# Altium PCB PR2387.PcbDoc (part 2 of 2)
Units mil, origin at the board's own origin, x right, y up, seen from the top; angles counter-clockwise.
Board outline 2750 x 2500 mil, 2 copper layers (Top Layer, Bottom Layer), stack 61.6 mil thick; 130 components, 60 nets, 319 pads, 83 vias.
Unrouted connection lines stored in the file: 7.
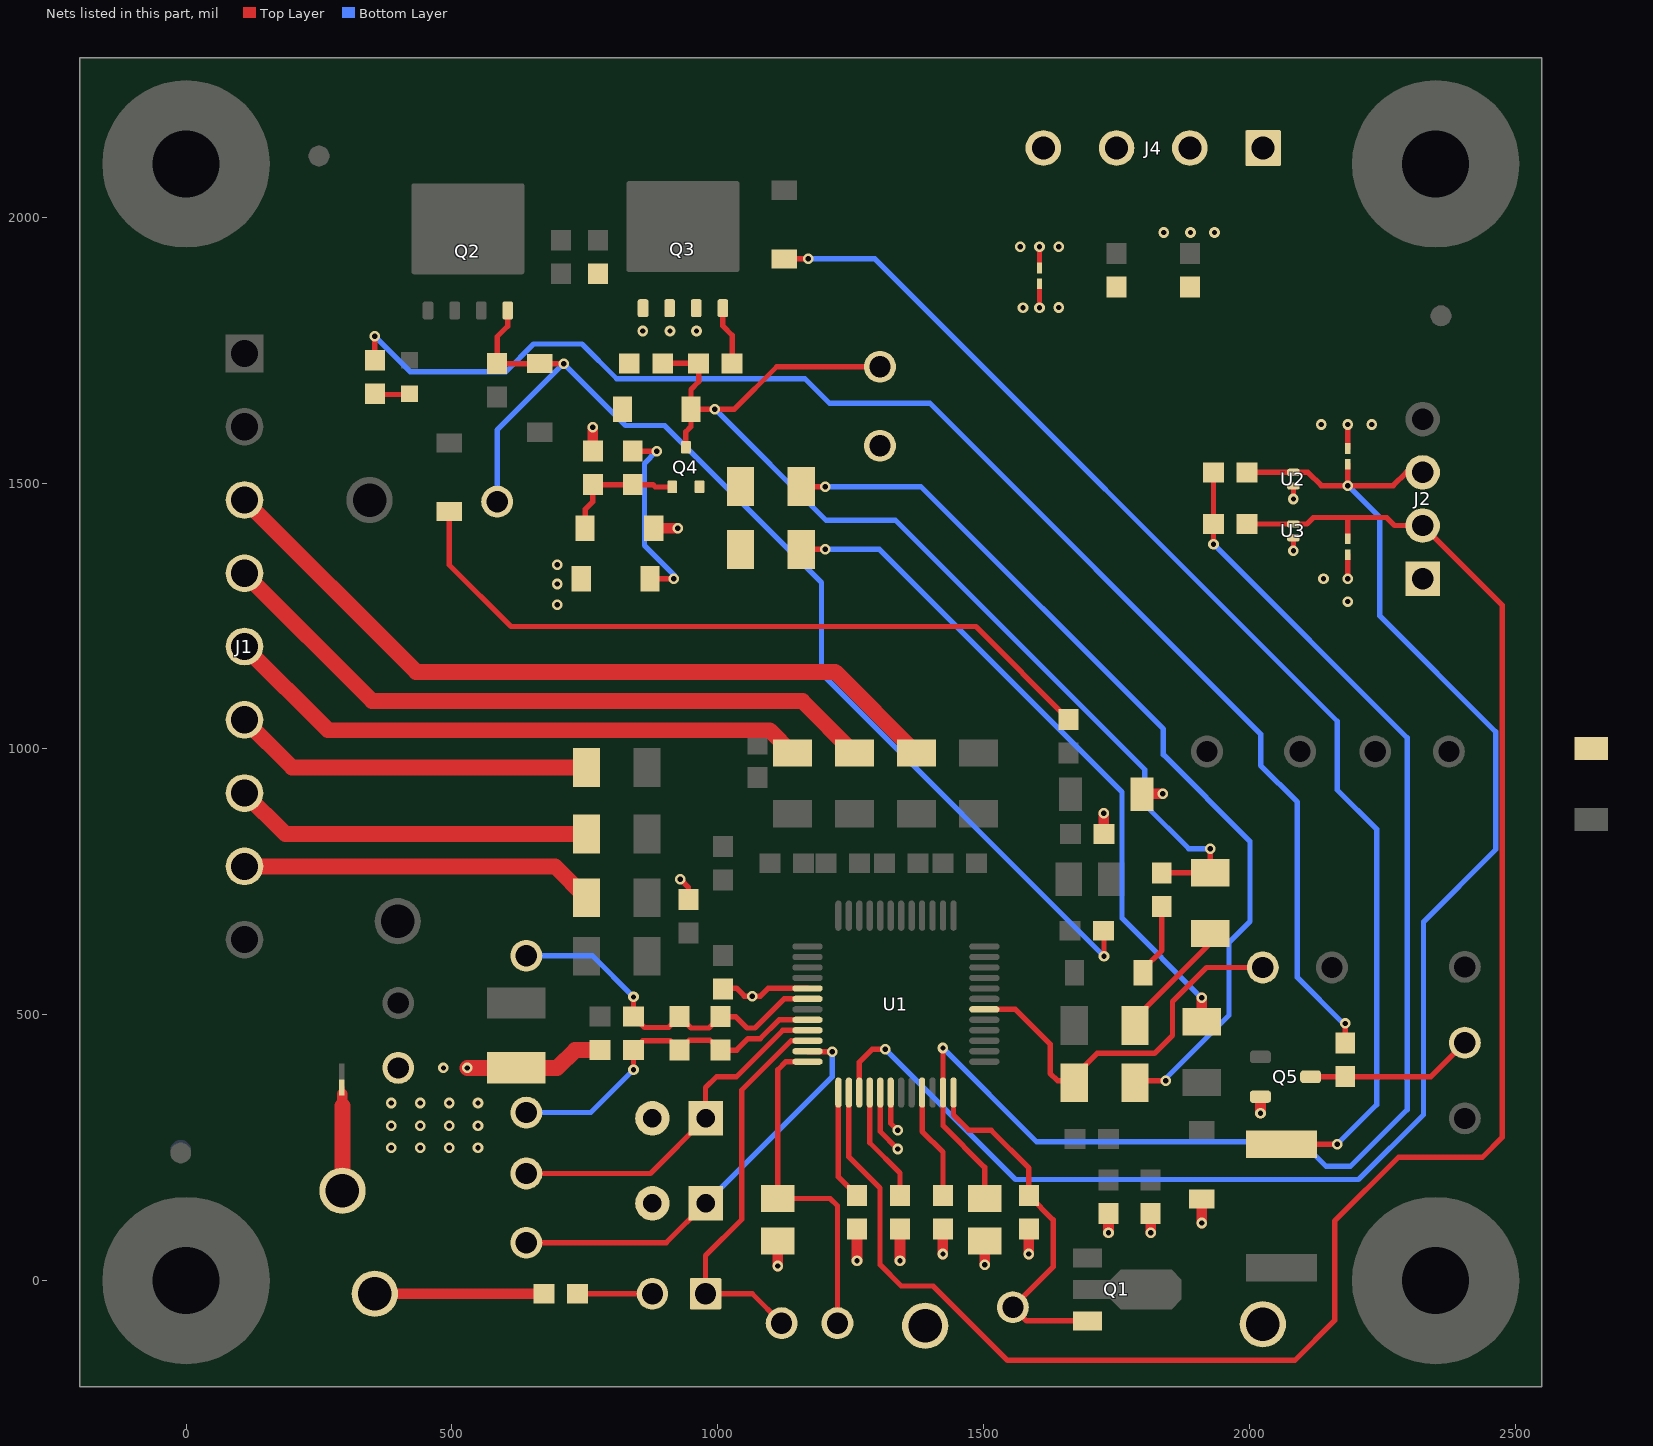
[diagram p2: the nets of this part, all layers, seen from the top]

## Via types
v1: diameter 20, hole 10, Top Layer to Bottom Layer, tented top, 83 vias

## Nets (pads, with @x,y where several pads share a name; then routed paths per layer and width w, separated by ;. In a path a pad name is that pad's centre, name@x,y a point inside that pad or via, vN(x,y) a via of type N, cw(c..) or ccw(c..) an arc to the next point about the centre after c; other vN are vias at no path point) (continued)
NetD1_1: D1.1 R1.2 | length 1385.7
  Top Layer w10: D1.1@495,1446.53 495,1346 611,1230 1485.51,1230 R1.2@1659.88,1055.63
NetD2_1: D2.1 R4.2 | length 2361.9
  Top Layer w10: D2.1@1125,1921.56 v1(1170,1921.56) ; R4.2@2060,256.5 v1(2164.85,256.5)
  Bottom Layer w10: v1(1170,1921.56) 1295.44,1921.56 2165,1052 2165,923.02 2239,849.02 2239,330.65 v1(2164.85,256.5)
NetD3_1: D3.1 R20.2 | length 65
  Top Layer w10: R20.2@350,1666.44 D3.1@415,1666.44
NetD4_1: D4.1 Q2.4 R22.2 R28.2 TP20.1 | length 2163.2
  Top Layer w10: Q2.4@605,1824.45 605,1795 585,1775 R22.2@585,1724.47 D4.1@665,1724.47 v1(710,1724.47) ; v1(1726.38,610) 1726.38,649.68 R28.2@1726.69,650
  Bottom Layer w10: TP20.1@585,1465 585,1599.47 v1(710,1724.47) 826.47,1608 900,1608 1195,1313 1195,1141.38 v1(1726.38,610)
NetD5_1: D5.1 Q4.3 R23.2 R25.2 R30.2 R31.2 TP21.1 | length 2072.6
  Top Layer w10: R23.2@896.5,1725 R25.2@964.04,1725 964.04,1690.51 949.47,1675.94 D5.1@949.47,1638.98 ; Q4.3@940,1567.4 940,1596.48 949.47,1605.94 D5.1@949.47,1638.98 ; TP21.1@1305,1718.7 1110.83,1718.7 1031.1,1638.98 v1(994.47,1638.98) D5.1@949.47,1638.98 ; R31.2@1835,766.5 1835.59,767.09 R30.2@1926.02,767.09 v1(1926.02,812.09)
  Bottom Layer w10: v1(994.47,1638.98) 1203.44,1430 1334,1430 1803,961 1803,895 1885.91,812.09 v1(1926.02,812.09)
NetD6_1: D6.1 Q4.1 R24.2 R26.1 | length 239
  Top Layer w10: D6.1@750.53,1415 750.53,1450.53 765,1465 R24.2@765,1496.87 R26.1@840,1496.87 878.13,1496.87 882.4,1492.6 Q4.1@914.41,1492.6
NetD7_1: D7.1 R26.2 | length 358.2
  Top Layer w10: R26.2@840,1559.86 v1(885,1559.86) ; D7.1@872.2,1320 v1(917.2,1320)
  Bottom Layer w10: v1(885,1559.86) 862,1536.86 862,1382.47 v1@919.47,1325
NetD9_2: D9.2 R31.1 | length 143.7
  Top Layer w10: D9.2@1799.47,574.57 D9.2@1799.47,578.57 1799.47,585.47 1835,621 R31.1@1835,703.5
NetE1_1: E1.1 J2.3 R14.2 U1.27 U2.1 | length 3029.2
  Top Layer w10: U1.27@1266.1,353.66 1266.1,411.1 1290,435 v1(1315,435) ; R14.2@1991.81,1520 R14.2@1995.26,1520 U2.1@2082.52,1520 2110,1520 2135,1495 v1(2185,1495) ; E1.1@2185,1535 v1(2185,1495) ; J2.3@2325.59,1520 2295,1520 2270,1495 v1(2185,1495)
  Bottom Layer w10: v1(1315,435) 1560,190 2205,190 2327,312 2327,674.8 2463,810.8 2463,1032 2245,1250 2245,1435 v1(2185,1495)
NetE2_1: E2.1 J2.2 R15.2 U1.26 U3.1 | length 3473.5
  Top Layer w10: U1.26@1246.42,353.66 1246.42,232.77 1305,174.19 1305,30 1345,-10 1405,-10 1545,-150 2085,-150 2160,-75 2160,112 2280,232 2438,232 2475,269 2475,1270.59 J2.2@2325.59,1420 2272.8,1420 2257.8,1435 2185,1435 ; R15.2@1991.81,1422.8 U3.1@2082.52,1422.8 2107.8,1422.8 2120,1435 2185,1435 ; E2.1@2185,1395 2185,1435
NetJ1_3: J1.3 R3.1 | length 1461
  Top Layer w30: J1.3@109.81,1468.02 432.83,1145 1220.73,1145 R3.1@1373.65,992.09
NetJ1_4: J1.4 R5.1 | length 1287.2
  Top Layer w30: J1.4@109.81,1330.22 350.03,1090 1159.07,1090 R5.1@1256.98,992.09
NetJ1_5: J1.5 R6.1 | length 1113.5
  Top Layer w30: J1.5@109.81,1192.43 267.24,1035 1097.4,1035 R6.1@1140.31,992.09
NetJ1_6: J1.6 R7.1 | length 680.2
  Top Layer w30: J1.6@109.81,1054.63 199.44,965 R7.1@752.91,965
NetJ1_7: J1.7 R9.1 | length 674.9
  Top Layer w30: J1.7@109.81,916.84 186.64,840 R9.1@752.91,840
NetJ1_8: J1.8 R10.1 | length 667.6
  Top Layer w30: J1.8@109.81,779.04 693.87,779.04 R10.1@752.91,720
NetJ3_2: J3.2 R18.2 | length 140.5
  Top Layer w10: R18.2@736.5,-24.72 J3.2@877,-24.72
NetQ3_4: Q3.4 R25.1 | length 111
  Top Layer w10: Q3.4@1009.45,1828.74 1009.45,1795.55 1027.03,1777.97 R25.1@1027.03,1725
NetQ5_3: Q5.3 R21.1 TP19.1 | length 311.5
  Top Layer w10: Q5.3@2115,383.35 2174.84,383.35 R21.1@2175,383.5 ; R21.1@2180,383.5 2340.98,383.5 TP19.1@2404.95,447.48
NetR8_2: R8.2 U1.33 | length 209.9
  Top Layer w10: U1.33@1384.21,353.66 1384.21,280.79 1423.35,241.65 R8.2@1423.35,160
NetR12_2: R12.2 U1.28 | length 217.2
  Top Layer w10: U1.28@1285.79,353.66 1285.79,259.21 1342.53,202.47 R12.2@1342.53,160
NetR13_2: R13.2 U1.25 | length 208.2
  Top Layer w10: U1.25@1226.73,353.66 1226.73,194.98 R13.2@1261.71,160
NetR20_1: R20.1 R21.2 | length 2713.8
  Top Layer w10: R20.1@355,1730.87 v1(355,1775.87) ; R21.2@2180,446.5 v1(2180,483.7)
  Bottom Layer w10: v1(355,1775.87) 421.87,1709 601.22,1709 653.67,1761.45 744.55,1761.45 810,1696 1164,1696 1210,1650 1399,1650 2020.92,1028.08 2020.92,969.08 2090,900 2090,570 2176.3,483.7 v1(2180,483.7)
NetR30_1: R30.1 R32.2 | length 227.7
  Top Layer w10: R32.2@1784.7,483.7 1784.7,492.7 1926.02,634.02 R30.1@1926.02,652.91
NetR33_1: R33.1 R34.2 | length 1717.9
  Top Layer w10: R34.2@1157.09,1493.27 v1(1202.09,1493.27) ; R33.1@1784.7,376 v1(1842.5,376)
  Bottom Layer w10: v1(1202.09,1493.27) 1381.73,1493.27 1838,1037 1838,989.17 2001,826.17 2001,675.54 1961.46,636 1961.46,498.96 v1@1842.5,380
NetR35_1: R35.1 R36.2 | length 1286.1
  Top Layer w10: R36.2@1157.09,1375.16 v1(1202.09,1375.16)
  Top Layer w20: R35.1@1910,486.85 v1(1910,531.85)
  Bottom Layer w10: v1(1202.09,1375.16) 1303.84,1375.16 1760.25,918.75 1760.25,681.6 v1(1910,531.85)
NetRT1_1: RT1.1 TP6.1 U1.21 | length 674.1
  Top Layer w10: TP6.1@640,201.5 873.22,201.5 RT1.1@977,305.28 977,363.06 997.4,383.47 1034.96,383.47 1122.28,470.79 U1.21@1168.66,470.79
NetRT2_1: RT2.1 TP8.1 U1.23 | length 798.2
  Top Layer w10: TP8.1@640,71.18 902.9,71.18 RT2.1@977,145.28 ; U1.23@1168.66,431.42 1169.57,430.51 v1(1215,430.51)
  Bottom Layer w10: RT2.1@977,145.28 1215,383.28 v1(1215,430.51)
PACK: R33.2 TP25.1 U1.42 | length 742.2
  Top Layer w10: U1.42@1501.34,510.16 1559.84,510.16 1625,445 1625,389.86 1638.86,376 1670.53,376 1670.53,384.53 1713.42,427.42 1821.42,427.42 1855,461 1855,525 1918.9,588.9 TP25.1@2025,588.9
PACK+: C19.1 C20.1 D5.2 D6.2 E3.1 J4.3 J4.4 Q3.1 Q3.2 Q3.3 Q4.2 R23.1 R24.1 R34.1 R36.1 TP18.1 | length 130
  Top Layer w10: E3.1@1605,1904.45 v1(1605,1944.45)
  Top Layer w20: R24.1@765,1559.86 v1(765,1604.86) ; D6.2@879.47,1415 v1(924.47,1415)
  other v1: 859,1786 910,1786 960,1786 1569,1944.45 1641,1944.45
PGND: C21.2 D7.2 E1.2 E2.2 E3.2 J2.1 J4.1 J4.2 R17.1 R19.1 TP24.1 U2.2 U3.2 | length 447.2
  Top Layer w10: v1(1605,1829.45) E3.2@1605,1874.45 ; v1(2082.52,1372.8) U3.2@2082.52,1397.21 ; v1(2082.52,1470) U2.2@2082.52,1494.41 ; v1(2185,1320) E2.2@2185,1365 ; E1.2@2185,1565 v1(2185,1610)
  Top Layer w30: v1(529,399.98) R19.1@621,399.98 697.98,399.98 731.5,433.5 R17.1@778.5,433.5
  other v1: 386,250 440.33,250 494.67,250 549,250 386,291 440.33,291 494.67,291 549,291 386,334 440.33,334 494.67,334 549,334 484,399.98 698,1271 2185,1277 698,1310 2139,1320 698,1346 2134.68,1610 2230,1610 1574,1829.45 1641,1830 1838.68,1971 1889,1971 1934,1971
REG1: C7.2 R14.1 R15.1 U1.35 | length 2674
  Top Layer w10: v1@1423.58,437.44 U1.35@1423.58,353.66 1423.58,291.42 1501.91,213.09 C7.2@1501.91,154.49 ; v1(1932.26,1385) R15.1@1932.26,1422.8 R14.1@1932.26,1520
  Bottom Layer w10: v1(1423.35,437.44) 1599.9,260.9 2098.1,260.9 2144,215 2190,215 2296.33,321.33 2296.33,1020.93 v1(1932.26,1385)
REG18: C14.2 TP9.1 U1.24 | length 642.8
  Top Layer w10: U1.24@1168.66,411.73 1128.07,411.73 1112.8,396.46 C14.2@1112.8,154.49 1185.31,154.49 1211.25,154.49 1225,140.73 TP9.1@1225,-80
REGIN: C8.2 Q1.3 TP5.1 U1.36 | length 688
  Top Layer w10: U1.36@1443.27,353.66 1443.27,311.73 1472.2,282.8 1514.13,282.8 1585,211.93 C8.2@1585,160 1630.67,114.33 1630.67,25.67 TP5.1@1555,-50 1580.71,-75.71 Q1.3@1695.2,-75.71
SRN: C16.1 C17.2 R17.2 TP12.1 U1.20 | length 652.5
  Top Layer w10: v1(841.5,396.5) R17.2@841.5,433.5 859.09,451.1 910.4,451.1 C17.2@928,433.5 946.5,452 985,452 1003.5,433.5 1035.5,433.5 1057,455 1079.88,455 1115.35,490.47 U1.20@1168.66,490.47
  Bottom Layer w10: TP12.1@640,316 761,316 v1(841.5,396.5)
SRP: C16.2 C17.1 R16.2 TP11.1 U1.18 | length 664.2
  Top Layer w10: v1(841.5,533.5) R16.2@841.5,496.5 861.99,476 907.5,476 C17.1@928,496.5 949.5,475 983.5,475 C16.2@1005,496.5 1033.5,496.5 1055,475 1070,475 1124.84,529.84 U1.18@1168.66,529.84
  Bottom Layer w10: TP11.1@640,611 764,611 v1(841.5,533.5)
TS2: J3.1 TP10.1 U1.22 | length 739.1
  Top Layer w10: TP10.1@1120,-80 1064.72,-24.72 J3.1@977,-24.72 977,47 1045,115 1045,358.19 1137.92,451.1 U1.22@1168.66,451.1
VSS: C1.2 C2.2 C7.1 C8.1 C12.2 C13.2 C14.1 C22.1 C23.2 D8.2 NT1.1 Q5.2 R8.1 R12.1 R13.1 R18.1 R29.1 RT1.2 RT2.2 TP13.1 TP14.1 TP15.1 TP16.1 U1.17 U1.29 U1.30 | length 1471.7
  Top Layer w10: NT1.1@293,352 NT1.1@293,363 ; v1(929.51,755) 945,739.51 C13.2@945,715 ; C12.2@1010,550 1035,550 1050,535 v1(1065,535) 1080,535 1094.53,549.53 U1.17@1168.66,549.53 ; U1.29@1305.47,353.66 1305.47,280.26 v1(1338.22,247.52) ; U1.30@1325.16,353.66 1325.16,295.85 v1(1338.22,282.8)
  Top Layer w20: 294,328 NT1.1@294,351 ; TP15.1@355,-24.72 R18.1@673.5,-24.72 ; v1(1112.8,27.56) C14.1@1112.8,74.49 ; v1(1261.71,37.16) R13.1@1261.71,97.01 ; v1(1342.53,37.16) R12.1@1342.53,97.01 ; v1(1423.35,50) R8.1@1423.35,97.01 ; v1(1501.91,30) C7.1@1501.91,74.49 ; v1(1585,50) C8.1@1585,97.01 ; v1(1726,879) 1726,840.38 C2.2@1726.38,840 ; v1(1734.88,90) 1734.88,133.86 C22.1@1735,133.98 ; C1.2@1797.92,915.38 v1(1836.54,915.38) ; v1(1813.96,90) R29.1@1813.96,125.98 R29.1@1813.96,133.98 ; v1(1910,108.41) D8.2@1910,153.41 ; v1(2020.51,314.96) Q5.2@2020.51,345.94
  Top Layer w30: TP13.1@294,169 294,328
pads on no net: FID1.1 FID2.1 FID3.1 FID4.1 FID5.1 FID6.1 H1.1 H2.1 H3.1 H4.1 H5.0 H6.0 H7.0 H8.0 J1.1 J2.4 Q2.9@436.59,1902.8 Q2.9@477.64,1914.41 Q2.9@477.64,1959.69 Q2.9@477.64,2004.96 Q2.9@530,1914.41 Q2.9@530,1959.69 Q2.9@530,1965 Q2.9@530,2004.96 Q2.9@582.36,1914.41 Q2.9@582.36,1959.69 Q2.9@582.36,2004.96 Q2.9@623.41,1902.8 Q3.9@841.04,1907.09 Q3.9@882.09,1918.7 Q3.9@882.09,1963.98 Q3.9@882.09,2009.25 Q3.9@934.45,1918.7 Q3.9@934.45,1963.98 Q3.9@934.45,1969.29 Q3.9@934.45,2009.25 Q3.9@986.81,1918.7 Q3.9@986.81,1963.98 Q3.9@986.81,2009.25 Q3.9@1027.85,1907.09 SH-J1.0 U1.1 U1.3 U1.5 U1.7 U1.9 U1.11 U1.19 U1.31 U1.32 U1.34 U1.39 U1.40 U1.44 U2.1S U2.2S U3.1S U3.2S
copper on no net: | length 59.9
  Top Layer w20: v1(1185.31,31.64) 1185.31,91.49

## Polygon pours and split planes (outlines as drawn)
PGND on Top Layer "Top Layer-PGND 4" (solid, shelved, pour order 262): 669,439 389,439 363,413 363,247.52 373.52,237 641,237 690,286 690,418
BAT- on Top Layer "Top Layer-BAT-" (solid, remove dead copper, shelved, pour order 264): 778.5,646 739,646 654,731 61.83,731 19,688.17 19,445 46,418 330.42,418 383.21,470.79 661.79,470.79 676,485 676,554 685,563 772,563 781,572 781,643.5
7P on Top Layer "Top Layer-7P 1" (solid, shelved, pour order 255): 729,1764 720,1755 637,1755 626,1766 626,1852 635,1861 667,1861 681,1875 681,1913 687,1919 724.71,1919 729,1914.71
PGND on Top Layer "Top Layer-PGND 3" (solid, shelved, pour order 254): 763,1371 673,1371 656,1354 656,1275 674,1257 759,1257 774,1272 774,1360
7P on Top Layer "Top Layer-7P" (solid, remove dead copper, shelved, pour order 265): -36,1862 -57,1841 -57,1541 -36,1520 155,1520 270,1405 692,1405 700,1413 700,1665 680,1685 556.46,1685 550,1691.46 550,1772.97 575,1797.97 575,1855 568,1862
NetC18_1 on Top Layer "Top Layer-NetC18_1" (solid, shelved, pour order 257): 795,1934 800,1939 800,2078 791,2087 686,2087 676,2077 676,1943 685,1934
no net on Top Layer "Top Layer-NetC20_1" (solid, remove dead copper, shelved, pour order 260): 1692,1889 1684,1881 1684,1715 1691,1708 1936,1708 1948,1720 1948,1883 1942,1889
NetC23_1 on Top Layer "Top Layer-NetQ1_2" (solid, remove dead copper, shelved, pour order 259): 1669,2 1738,2 1758,22 1913,22 1964,73 2124,73 2137,60 2137,1 2120,-16 1984,-16 1939,-61 1764,-61 1739,-36 1667,-36 1665,-34 1665,-2
PACK+ on Top Layer "Top Layer-PACK+" (solid, remove dead copper, shelved, pour order 267): 1198,1686 1234,1722 1234,2223 1266,2255 1329,2255 1770,2255 1795,2230 1795,1931.46 1773.54,1910 1710,1910 1690,1930 1551.02,1930 1545,1923.98 1545,1804 1571,1778 1647,1778 1665,1760 1665,1258.32 1653.68,1247 821,1247 803,1265 803,1434 819,1450 931.45,1450 950,1468.55 950,1519.41 1116.59,1686
PGND on Top Layer "Top Layer-No Net 2" (solid, remove dead copper, shelved, pour order 253): 1620,1914.71 1654.74,1914.71 1659.88,1909.57 1659.88,1809.88 1650,1799.45 1573.55,1799.45 1560.29,1812.71 1560.29,1914.71 1590,1914.71 1590,1884.45 1620,1884.45
PGND on Top Layer "Top Layer-PGND 1" (solid, remove dead copper, shelved, pour order 256): 2200,1405 2235.32,1405 2255,1385.32 2255,1275 2240,1260 2133.9,1260 2115,1278.9 2115,1391.5 2128.5,1405 2170,1405 2170,1355 2200,1355
PGND on Top Layer "Top Layer-PGND 2" (solid, remove dead copper, shelved, pour order 258): 2170,1525 2134.68,1525 2115,1544.68 2115,1655 2130,1670 2250,1670 2260,1660 2260,1543.5 2241.5,1525 2200,1525 2200,1575 2170,1575
PACK+ on Top Layer "Top Layer-PACK+ 1" (solid, remove dead copper, shelved, pour order 261): 982.48,1773.48 964,1755 909.45,1755 896.5,1742.05 896.5,1603.5 889.48,1596.48 855,1596.48 806.52,1596.48 805,1594.96 805,1533.44 741.56,1533.44 741.56,1915.56 745,1919 791,1919 795,1915 795,1879.45 820,1854.45 969.06,1854.45 982.48,1841.02
CD on Top Layer "Top Layer-CD" (solid, shelved, pour order 266): 312,2089.5 312,2227 349,2264 1178,2264 1190,2252 1190,1981 1185,1976 1085.57,1976 1075,1965.43 1075,1900 1055,1880 830,1880 815,1895 815,1985 815,2089 801,2103 679,2103 660,2084 660,1890 650,1880 346,1880 312,1915
PGND on Top Layer "Top Layer-PGND" (solid, shelved, pour order 263): 2070,2255 1835,2255 1810,2230 1810,1925 1825,1910 2075,1910 2105,1940 2105,2220
VSS on Bottom Layer "Bottom Layer-VSS" (solid, shelved, pour order 270): 616,210 642,236 642,1120 663,1141 2535,1141 2535,-165 -186,-165 -186,210
PGND on Bottom Layer "Bottom Layer-PGND" (solid, shelved, pour order 271): 579.65,231 619.83,271.17 619.83,1134.83 648,1163 2535,1163 2535,2281 -188,2281 -188,231
7P on Bottom Layer "Bottom Layer-7P" (solid, shelved, pour order 268): 571.58,1803.87 521.71,1754 441,1754 368.19,1826.81 319.81,1826.81 286,1793 286,1605 234,1553 62,1553 39,1576 39,1842 135,1938 694,1938 738.81,1893.19 738.81,1826.81 715.87,1803.87
PACK+ on Bottom Layer "Bottom Layer-PACK+" (solid, shelved, pour order 269): 971,2066 854,2066 811,2023 811,1775.87 848.27,1738.6 1069.6,1738.6 1095,1764 1095,1943 1094,1944 1120,1970 1339,1970 1398,1911 1444,1865 1655,1865 1671,1881 1671,1991 1655,2007 1545,2007 1486,2066

## Keep-outs
Keep-Out Layer:
  lines w30: -200,-205 2550,-205 2550,2295 -200,2295 -200,-205
  text ".Layer_Name" at -523,-1758.49 h60

## Other copper
Top Layer:
  text ".Layer_Name" at -523,-1758.49 h60
Bottom Layer:
  text ".Layer_Name" at -523,-1758.49 h60

## Silkscreen, mask and mechanical layers (free items; w line width, h text height)
Top Overlay:
  lines w8: 768.82,1626.18 792.09,1602.91
  text "1.PGND" at 1276,2154 h30
  text "2.PGND" at 1276,2097 h30
  text "3.PACK+" at 1276,2037 h30
  text "4.PACK+" at 1276,1984 h30
  text "PACK+" at 1358,1551 h30
  text "VBAT+" at 250,1408 h30 r90
  text "DSG" at 2352,914 h30
  text "CHG" at 2202,913 h30
  text "LD" at 2211,695 h30 r90
  text "PACK" at 2081,667 h30 r90
  text "BAT-" at 194,647 h30
  text "FUSEPIN" at 2318,637 h30
  text "SRP" at 597,596 h30 r90
  text "FUSE" at 2364,371 h30
  text "SRN" at 715,256 h30 r90
  text "VSS" at 201,130 h30 r90
  text "TS2" at 1072,-34 h30
  text "VSS" at 168,-37 h30
  text "VSS" at 2128,-94 h30
  text ".Layer_Name" at -523,-1758.49 h60
Bottom Overlay:
  text ".Layer_Name" at -523,-1758.49 h60
Top Paste:
  text ".Layer_Name" at -523,-1758.49 h60
Bottom Paste:
  text ".Layer_Name" at -523,-1758.49 h60
Top Solder:
  text ".Layer_Name" at -523,-1758.49 h60
  text ".Layer_Name" at -523,-1758.49 h60
Bottom Solder:
  text ".Layer_Name" at -523,-1758.49 h60
Drill Guide:
  text ".Layer_Name" at -523,-1758.49 h60
M1 Board Outline:
  the board outline again, w10
  text ".Layer_Name" at -523,-1758.49 h60
M2 Board Dimensions:
  rectangle: -190,-665 -65,-540
  rectangle: -65,-790 310,-665
  lines w7: -190,-665 810,-665 ; -65,-790 -65,-540 ; 60,-790 60,-540 ; 310,-790 310,-540 ; 560,-790 560,-540 ; -190,-790 810,-790 810,-540 -190,-540 -190,-790
  text ".Layer_Name" at -523,-1758.49 h60
M3 3D STEP Top:
  text ".Layer_Name" at -523,-1758.49 h60
M4 3D STEP Bottom:
  text ".Layer_Name" at -523,-1758.49 h60
M5 Assembly Top:
  lines w10: -1392,-1830.17 5208,-1830.17 ; -1392,-1626.83 5210,-1626.83 ; -1392,-1423.5 -1392,-2033.5 2613,-2033.5 5210,-2033.5 5210,-1423.5 -1391.5,-1423.5 -1391.5,-2033.5 184,-2033.5 ; 1073,-2033.5 1073,-1423.5 ; 2340,-1626.83 2340,-1423.5 ; 3180,-1626.83 3180,-1423.5 ; 3802,-2040 3802,-1837.17
  text "COMPONENTS MARKED 'DNP' SHOULD NOT BE POPULATED." at 53.5,-1218.5 h60
  text "ASSEMBLY VARIANT:" at 53,-1334 h60
  text ".VariantName" at 1089,-1334 h60
  text "PCB VIEWED FROM TOP SIDE" at -1328.5,-1555.67 h60
  text "BOARD #:" at 1148,-1555.67 h60
  text ".PRJ_Number" at 1693.5,-1555.67 h60
  text "REV:" at 2538,-1555.67 h60
  text ".PCB_Rev" at 2829.5,-1555.67 h60
  text "SVN REV:" at 3376,-1555.67 h60
  text ".VersionControl_RevNumber" at 3882,-1555.67 h60
  text "TID #:" at 1148,-1759 h60
  text ".TID" at 1693.5,-1759 h60
  text "PLOT NAME =" at -1328.5,-1964.34 h60
  text ".plot_File_Name" at -523,-1964.34 h60
  text "GENERATED    :" at 1150,-1964.34 h60
  text ".Print_Date" at 2019.5,-1964.34 h60
  text ".Print_Time" at 2748.5,-1964.34 h60
  text "TEXAS INSTRUMENTS" at 4013,-1964.34 h60
M6 Assembly Bottom:
  lines w10: -1392.5,-1627.33 5209.5,-1627.33 ; -1390.5,-1830.67 5209.5,-1830.67 ; 15.5,-2040.5 15.5,-1837.67 ; 637.5,-1627.33 637.5,-1424 ; 1477.5,-1627.33 1477.5,-1424 ; 2744.5,-2034 2744.5,-1424 ; 3633.5,-2034 5209,-2034 5209,-1424 -1392.5,-1424 -1392.5,-2034 1204.5,-2034 5209.5,-2034 5209.5,-1424
  text "COMPONENTS MARKED 'DNP' SHOULD NOT BE POPULATED." at 5002,-1218 h60
  text ".VariantName" at 3958,-1334 h60
  text "ASSEMBLY VARIANT:" at 4997,-1334 h60
  text ".VersionControl_RevNumber" at -64.5,-1556.17 h60
  text "SVN REV:" at 441.5,-1556.17 h60
  text ".PCB_Rev" at 988,-1556.17 h60
  text "REV:" at 1279.5,-1556.17 h60
  text ".PRJ_Number" at 2124,-1556.17 h60
  text "BOARD #:" at 2669.5,-1556.17 h60
  text "PCB VIEWED FROM BOTTOM SIDE" at 5146,-1556.17 h60
  text ".TID" at 2124,-1759.5 h60
  text "TID #:" at 2669.5,-1759.5 h60
  text "TEXAS INSTRUMENTS" at -195.5,-1964.84 h60
  text ".Print_Time" at 1069,-1964.84 h60
  text ".Print_Date" at 1798,-1964.84 h60
  text "GENERATED    :" at 2667.5,-1964.84 h60
  text ".plot_File_Name" at 4340.5,-1964.84 h60
  text "PLOT NAME =" at 5146,-1964.84 h60
M9 Title Sheet:
  drawing of 1178 lines, arcs and shapes, not listed
  text "1" at -360.16,7136.5 h70
  text "2" at 2135.5,7136.5 h70
  text "3" at 4624.84,7136.5 h70
  text "4" at 7131.51,7136.5 h70
  text "5" at 9630.5,7136.5 h70
  text "6" at 12135.5,7136.5 h70
  text "A" at -1516.5,5993.5 h70
  text "A" at 13283.5,5993.5 h70
  text "B" at -1516.5,3613.5 h70
  text "B" at 13283.5,3613.5 h70
  text "C" at -1516.5,1238.5 h70
  text "C" at 13283.5,1238.5 h70
  text "PROJECT TITLE:" at 10243.5,-622.5 h45
  text ".PRJ_Title" at 10293.5,-755.83 h70
  text "DESIGNED FOR:" at 10243.5,-923.5 h45
  text ".PRJ_Customer" at 10293.5,-1063.5 h70
  text "D" at -1516.5,-1131.5 h70
  text "D" at 13283.5,-1131.5 h70
  text "FILE NAME:" at 10243.5,-1223.5 h45
  text ".PCB_File_Name_No_Path" at 10293.5,-1343.5 h70
  text "Texas Instruments (TI) and/or its licensors do not warrant the accuracy or completeness of this specification" at 5274,-1505.34 h45
  text "ENGINEER:" at 10243.5,-1513.5 h45
  text "LAYOUT BY:" at 11748.5,-1513.5 h45
  text "or any information contained therein. TI and/or its licensors do not warrant that this design will meet" at 5229.01,-1618 h45
  text ".PRJ_Engineer" at 10293.5,-1668.49 h70
  text "JMM" at 11752,-1700 h100
  text "s  o  l  u  t  i  o  n  s" at 12610,-1703 h68
  text "the specifications, will be suitable for your application or fit for any particular purpose, or will operate in" at 5229.01,-1730.67 h45
  text ".Layer_Name" at -523,-1758.49 h60
  text "ALTIUM DESIGNER VERSION:" at 11748.5,-1823.5 h45
  text "an implementation. TI and/or its licensors do not warrant that the design is production worthy. You should" at 5229.01,-1843.33 h45
  text "completely validate and test your design implementation to confirm the system functionality for your application." at 5274,-1956 h45
  text ".print_Scale" at 10293.5,-1956.83 h70
  text ".Application_BuildNumber" at 11799,-1956.83 h70
  text "1" at -360.16,-2163.5 h70
  text "2" at 2135.5,-2163.5 h70
  text "3" at 4624.84,-2163.5 h70
  text "4" at 7131.51,-2163.5 h70
  text "5" at 9630.5,-2163.5 h70
  text "6" at 12135.5,-2163.5 h70
M10 Fab Notes:
  drawing of 191 lines, arcs and shapes, not listed
  text "FAB NOTES:" at -1152.86,6610.18 h60
  text "1. BOARD SIZE -  2750MIL x 2500MIL." at -1165.39,6409.64 h60
  text "2. VENDOR MAY ADJUST SOLDERMASK WHEREVER SOLDERMASK PADS ARE THE SAME SIZE (1:1) AS PER THE MANUFACTURING CAPABILITIES" at -1174.87,6285.78 h60
  text "AND ALL OTHER SOLDER MASK PADS SHALL NOT BE MODIFIED, PROVIDED NO ADJACENT COPPER IS EXPOSED AND NO CONFLICT IS PRODUCED" at -1004.11,6170.13 h60
  text "WITH ANY STATED \"VIA TENTING/COVERING\" REQUIREMENTS." at -1060.82,6058.06 h60
  text "3. ALL VIAS ARE TENTED ON TOP SIDES UNLESS OTHERWISE SOLDERMASK IS OPENED IN GERBER." at -1178.1,5928.75 h60
  text "DESIGN INFORMATION" at 11282.02,5456.17 h60
  text "10" at 11700,5330 h60
  text "MIN. TRACK WIDTH:" at 10637.46,5324.05 h60
  text "MIL" at 11888.46,5324.05 h60
  text "MIL" at 11903.46,5214.05 h60
  text "7.874" at 11595,5210 h60
  text "MIN. CLEARANCE:" at 10637.46,5199.92 h60
  text "MIN. VIA PAD SIZE:" at 10637.46,5075.8 h60
  text "20" at 11703.71,5075.8 h60
  text "MIL" at 11888.46,5075.8 h60
  text "0.05mm (2MIL)" at 11332.46,4945.9 h60
  text "MINIMUM ANNULAR RING" at 10308.23,4937.68 h60
  text "EXTERNAL" at 12040.46,4937.68 h60
  text "PER" at 10508.23,4827.55 h60
  text "IPC-D-275 CLASS 2 LEVEL C" at 10728.23,4827.54 h60
  text "MIL, HOLES" at 12216.46,4727.07 h60
  text "+/-" at 11824,4718.48 h60
  text "+/-" at 12678,4718.48 h60
  text "REGISTRATION TOLERANCES:" at 10308.23,4717.42 h60
  text "METAL" at 11508,4717.42 h60
  text "5" at 12084.2,4717.42 h60
  text "3" at 12917.2,4717.42 h60
  text "MIL" at 13033.46,4717.42 h60
  text "HOLE SIZE TOLERANCE (UNLESS OTHERWISE SPECIFIED):" at 10308.23,4619.1 h60
  text "+/-" at 12678,4616.23 h60
  text "3" at 12917.2,4615.17 h60
  text "MIL" at 13033.46,4615.17 h60
  text "MATERIAL:" at 10233.46,4477.52 h60
  text "FR-4 High Tg" at 11219.9,4349 h60
  text "X" at 11075.46,4341.01 h60
  text "FR-408" at 10654.46,4336.49 h60
  text "OTHER" at 12142.46,4336.49 h60
  text "62 MIL (1.6mm) +/-10%" at 10974.56,4193.46 h60
  text "X" at 10854.46,4191.01 h60
  text "THICKNESS:" at 10308.23,4185.24 h60
  text "OTHER" at 12259.46,4185.24 h60
  text "TOLERANCE:" at 10308.23,4046.92 h60
  text "X" at 11156.46,4046.92 h60
  text "ANSI IPC-6012 TYPE 3 CLASS 2" at 11334.47,4046.92 h60
  text "OTHER +/-" at 11334.46,3902.73 h60
  text "BOW & TWIST:" at 10308.23,3757.54 h60
  text "X" at 11156.46,3757.54 h60
  text "ANSI IPC-6012 TYPE 3 CLASS 2" at 11334.47,3757.54 h60
  text "OTHER +/-" at 11334.46,3610.85 h60
  text "DRILLING:" at 10233.46,3480.23 h60
  text "NC_DRILL FILES" at 11994.46,3375.04 h60
  text "REFERENCE:" at 10308.23,3371.1 h60
  text "X" at 10965.46,3371.01 h60
  text "AS SHOWN" at 11143.46,3371.1 h60
  text "X" at 11866.46,3371.1 h60
  text "OTHER" at 12292.46,3228.85 h60
  text "PTH COPPER THICKNESS:" at 10307.9,3225.32 h60
  text "X" at 11447.14,3225.32 h60
  text "20-30 um" at 11575.14,3225.32 h60
  text "BOARD FINISH:" at 10233.46,3077.73 h60
  text "SILKSCREEN:" at 10388.68,2967.6 h60
  text "X" at 11346.46,2967.6 h60
  text "TOP" at 11463.46,2967.6 h60
  text "BOTTOM" at 11974.46,2967.6 h60
  text "SILKSCREEN COLOR:" at 10388.68,2812.41 h60
  text "X" at 11345.46,2812.41 h60
  text "WHITE" at 11463.46,2812.41 h60
  text "OTHER" at 11974.46,2812.41 h60
  text "X" at 11476.46,2668.96 h60
  text "GREEN" at 11594.46,2668.96 h60
  text "OTHER" at 12212.46,2668.96 h60
  text "SOLDER RESIST COLOR:" at 10388.68,2662.1 h60
  text "X" at 11476.46,2514.71 h60
  text "MATTE" at 11594.46,2514.71 h60
  text "SEMI-GLOSS" at 12212,2514.07 h60
  text "IMMERSION GOLD (ENIG)" at 11294.46,2341.94 h60
  text "ENEPIG" at 12632,2334.72 h60
  text "SURFACE FINISH:" at 10233.46,2333.72 h60
  text "X" at 11116.46,2333.72 h60
  text "IMM. TIN/SILVER OR EQUIV" at 10563,2196.4 h60
  text "OTHER" at 11994.46,2192.47 h60
  text "ARRAY/PANEL:" at 10233.46,2037.09 h60
  text "CUT AND TRIM PER M1 BOARD OUTLINE" at 11294.46,2028.87 h60
  text "N.C. ROUTE" at 11294.46,1892.9 h60
  text "X" at 11982.46,1892.9 h60
  text "V. SCORE" at 12160.46,1892.9 h60
  text "CERTIFICATION:" at 10233.46,1763.77 h60
  text "MATERIALS AND WORKMANSHIP FOR ALL PCBS" at 10958.46,1763.77 h60
  text "TO MEET OR EXCEED THE REQUIREMENTS OF:" at 10958.46,1669.71 h60
  text "X" at 10595.97,1541.08 h60
  text "ANSI IPC-A-600F CLASS ->" at 10723.96,1541.08 h60
  text "X" at 12371.97,1541.08 h60
  text "2" at 12481.96,1541.08 h60
  text "1" at 12166.96,1539.58 h60
  text "3" at 12835.96,1539.58 h60
  text "X" at 11407.97,1393.39 h60
  text "RoHS" at 11535.96,1393.39 h60
  text "OTHER" at 12180.36,1393.39 h60
  text "PER ORDER" at 12577.42,1393.39 h60
  text "ALL BOARDS MUST MEET OR EXCEED UL94-V0 REQUIREMENTS." at 10261,1239.57 h60
  text "PCB MUST BEAR THE UL94V-0 UL REGISTERED MATERIAL ID NUMBER" at 10261,1123.5 h60
  text "ADDITIONAL REQUIREMENTS:" at 10233.46,954.08 h60
  text "MICROSECTION:" at 10308.23,846.95 h60
  text "YES" at 11213.96,846.95 h60
  text "REQUIRED" at 12075.46,702.62 h60
  text "BARE BOARD ELEC. TEST:" at 10308.23,699.76 h60
  text "NONE" at 11613.96,699.76 h60
  text "X" at 11957.46,699.76 h60
  text "PER ORDER" at 12667.46,699.76 h60
  text "XX MIL VIAS REQUIRE NON-CONDUCTIVE FILL AND PLANARIZE" at 10476.38,494.82 h59
  text "XX MIL VIAS REQUIRE CONDUCTIVE FILL AND PLANARIZE" at 10484.38,390.84 h60
  text "OUTER XX MIL TRACES REQUIRE 50 OHM SINGLE-ENDED IMPEDANCE" at 10483.39,227.46 h58
  text "LAYER 2 & 3 (INNER LAYERS) XX MIL WIDE, XX MIL SPACE / TRACES REQUIRE 100 OHM DIFFERENTIAL IMPEDANCE" at 10475.39,-8.25 h60
  text ".Layer_Name" at -523,-1758.49 h60
M11 Gerber Information:
  lines w10: -1392,-1830.17 5208,-1830.17 ; -1392,-1626.83 5210,-1626.83 ; -1392,-1423.5 -1392,-2033.5 2613,-2033.5 5210,-2033.5 5210,-1423.5 -1391.5,-1423.5 -1391.5,-2033.5 184,-2033.5 ; 1073,-2033.5 1073,-1423.5 ; 2340,-1626.83 2340,-1423.5 ; 3180,-1626.83 3180,-1423.5 ; 3802,-2040 3802,-1837.17
  text "ALL ARTWORK VIEWED FROM TOP SIDE" at -1328.5,-1555.67 h60
  text "BOARD #:" at 1148,-1555.67 h60
  text ".PRJ_Number" at 1693.5,-1555.67 h60
  text "REV:" at 2538,-1555.67 h60
  text ".PCB_Rev" at 2829.5,-1555.67 h60
  text "SVN REV:" at 3376,-1555.67 h60
  text ".VersionControl_RevNumber" at 3882,-1555.67 h60
  text "LAYER NAME =" at -1328.5,-1758.49 h60
  text "TID #:" at 1148,-1759 h60
  text ".TID" at 1693.5,-1759 h60
  text "GENERATED    :" at 1150,-1964.34 h60
  text ".Print_Date" at 2019.5,-1964.34 h60
  text ".Print_Time" at 2748.5,-1964.34 h60
  text "TEXAS INSTRUMENTS" at 4013,-1964.34 h60
M12 Stackup:
  drawing of 191 lines, arcs and shapes, not listed
  text "Layer" at 3735.34,1245 h60
  text "Name" at 4145.26,1245 h60
  text "Material" at 5075,1245 h60
  text "Thickness" at 5934.77,1245 h60
  text "Constant" at 6584.6,1245 h60
  text "Board Layer Stack" at 7154.46,1245 h60
  text "Top Overlay" at 4145.26,1125 h60
  text "Top Solder" at 4145.26,1005 h60
  text "Solder Resist" at 5075,1005 h60
  text "0.40mil" at 5934.77,1005 h60
  text "3.5" at 6584.6,1005 h60
  text "1" at 3735.34,885 h60
  text "Top Layer" at 4145.26,885 h60
  text "2.80mil" at 5934.77,885 h60
  text "Dielectric 3" at 4145.26,765 h60
  text "FR-4 High Tg" at 5075,765 h60
  text "56.00mil" at 5934.77,765 h60
  text "4.2" at 6584.6,765 h60
  text "2" at 3735.34,645 h60
  text "Bottom Layer" at 4145.26,645 h60
  text "2.80mil" at 5934.77,645 h60
  text "Bottom Solder" at 4145.26,525 h60
  text "Solder Resist" at 5075,525 h60
  text "0.40mil" at 5934.77,525 h60
  text "3.5" at 6584.6,525 h60
  text "Bottom Overlay" at 4145.26,405 h60
  text "THIS IS A NON IMPEDANCE CONTROLLED BOARD" at 4156.72,243.26 h60
  text "NOTE:" at 3679.9,120.05 h60
  text "1.CORE AND PREPREG THICKNESSES ARE UP TO FAB SHOP TO SELECT." at 3680.44,-40.49 h60
  text "2.EXTERNAL LAYER CU THICKNESS ARE FINISHED THICKNESS AFTER PLATING." at 3668.41,-215.13 h60
  text ".Layer_Name" at -523,-1758.49 h60
M13 Component Bodies Top:
  text ".Layer_Name" at -523,-1758.49 h60
M14 Component Bodies Bottom:
  text ".Layer_Name" at -523,-1758.49 h60
M15 Courtyards Top:
  text ".Layer_Name" at -523,-1758.49 h60
M16 Courtyards Bottom:
  text ".Layer_Name" at -523,-1758.49 h60
Drill Drawing:
  lines w10: -315.29,5330 -248.62,5330 -248.62,5396.67 -315.29,5396.67 -315.29,5330
  lines w15: -375.08,4235 4653.55,4235 ; -375.08,5435 4653.55,5435 ; 175.8,4085 175.8,5585 ; 765.64,4085 765.64,5585 ; 1915.31,4085 1915.31,5585 ; 2421.18,4085 2421.18,5585 ; 3154.98,4085 3154.98,5585 ; -375.08,4085 4653.55,4085 4653.55,5585 -375.08,5585 -375.08,4085
  text "Symbol" at -285.08,5480 h72
  text "Count" at 220.8,5480 h72
  text "Hole Size" at 810.64,5480 h72
  text "Plated" at 1960.31,5480 h72
  text "Hole Type" at 2466.18,5480 h72
  text "Hole Tolerance (mil)" at 3199.98,5480 h72
  text "4" at 220.8,5330 h60
  text "125.98mil (3.200mm)" at 810.64,5330 h60
  text "PTH" at 1960.31,5330 h60
  text "Round" at 2466.18,5330 h60
  text "4" at 220.8,5180 h60
  text "35.00mil (0.889mm)" at 810.64,5180 h60
  text "PTH" at 1960.31,5180 h60
  text "Round" at 2466.18,5180 h60
  text "+/-3" at 3199.98,5180 h60
  text "B" at -314.17,5170.01 h66.67
  text "23" at 220.8,5030 h60
  text "40.00mil (1.016mm)" at 810.64,5030 h60
  text "PTH" at 1960.31,5030 h60
  text "Round" at 2466.18,5030 h60
  text "+/-3" at 3199.98,5030 h60
  text "C" at -314.17,5020.01 h66.67
  text "4" at 220.8,4880 h60
  text "40.16mil (1.020mm)" at 810.64,4880 h60
  text "PTH" at 1960.31,4880 h60
  text "Round" at 2466.18,4880 h60
  text "+/-3" at 3199.98,4880 h60
  text "D" at -314.17,4870.01 h66.67
  text "4" at 220.8,4730 h60
  text "43.31mil (1.100mm)" at 810.64,4730 h60
  text "PTH" at 1960.31,4730 h60
  text "Round" at 2466.18,4730 h60
  text "+/-3" at 3199.98,4730 h60
  text "E" at -314.17,4720.01 h66.67
  text "9" at 220.8,4580 h60
  text "51.18mil (1.300mm)" at 810.64,4580 h60
  text "PTH" at 1960.31,4580 h60
  text "Round" at 2466.18,4580 h60
  text "+/-3" at 3199.98,4580 h60
  text "F" at -314.17,4570.01 h66.67
  text "6" at 220.8,4430 h60
  text "63.00mil (1.600mm)" at 810.64,4430 h60
  text "PTH" at 1960.31,4430 h60
  text "Round" at 2466.18,4430 h60
  text "+/-3" at 3199.98,4430 h60
  text "G" at -314.17,4420.01 h66.67
  text "83" at 220.8,4280 h60
  text "10.00mil (0.254mm)" at 810.64,4280 h60
  text "PTH" at 1960.31,4280 h60
  text "Round" at 2466.18,4280 h60
  text "+0/-10" at 3199.98,4280 h60
  text "A" at -314.17,4270.01 h66.67
  text "137 Total" at 220.8,4130 h60
  text ".Layer_Name" at -523,-1758.49 h60
M17 Embedded Cavity:
  text ".Layer_Name" at -523,-1758.49 h60
M18 Embedded Assembly:
  text ".Layer_Name" at -523,-1758.49 h60
M19 Embedded Keepout:
  text ".Layer_Name" at -523,-1758.49 h60

## Dimensions
-200,-200 to -200,2300 on M2 Board Dimensions
-200,-200 to 2550,-200 on M2 Board Dimensions
-190,-790 to 810,-790 on M2 Board Dimensions